# KiCad board SCKB-Xin.kicad_pcb (continued)
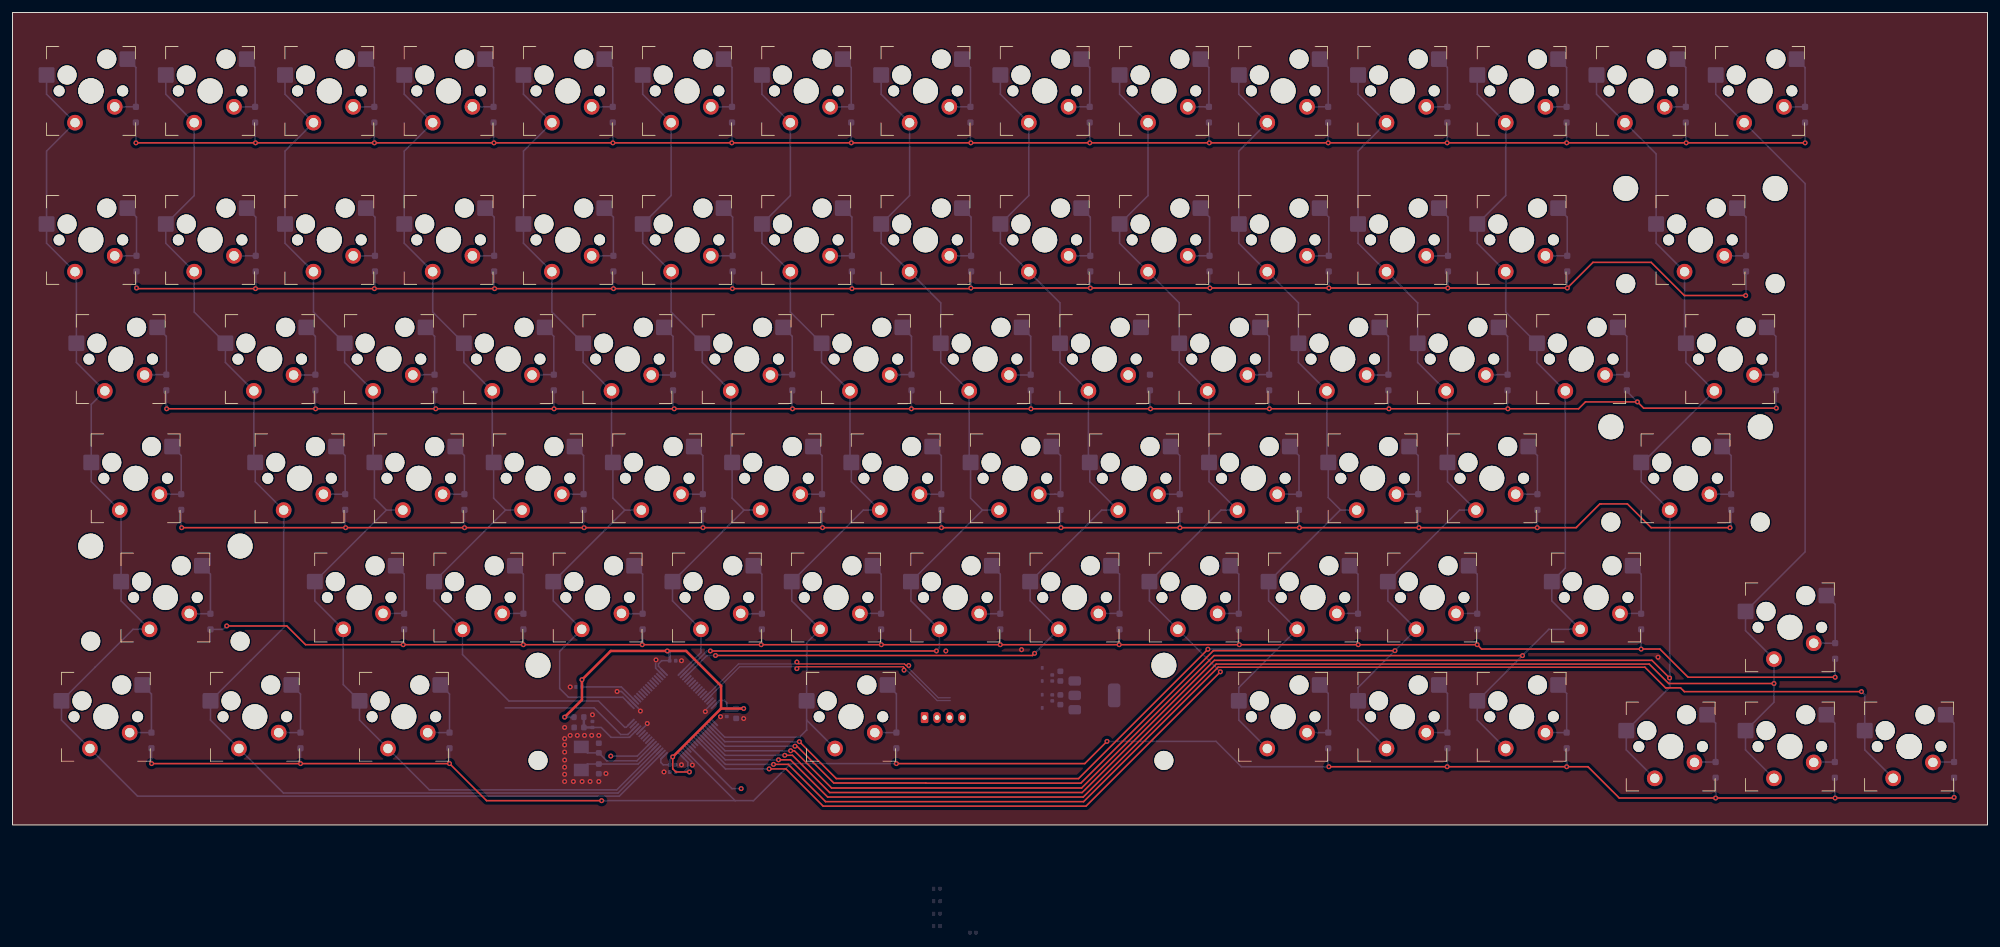
[diagram p0: board, top side]
## Footprints (pads in the part's own frame, mm; a bottom-side part is the same pattern mirrored in y, then rotated) (continued)
  rrect 0.3x1.55 smd: 17(-3.75,-5.675) 18(-3.25,-5.675) 19(-2.75,-5.675) 20(-2.25,-5.675) 21(-1.75,-5.675) 22(-1.25,-5.675) 23(-0.75,-5.675) 24(-0.25,-5.675) 25(0.25,-5.675) 26(0.75,-5.675) 27(1.25,-5.675) 28(1.75,-5.675) 29(2.25,-5.675) 30(2.75,-5.675) 31(3.25,-5.675) 32(3.75,-5.675) 49(3.75,5.675) 50(3.25,5.675) 51(2.75,5.675) 52(2.25,5.675) 53(1.75,5.675) 54(1.25,5.675) 55(0.75,5.675) 56(0.25,5.675) 57(-0.25,5.675) 58(-0.75,5.675) 59(-1.25,5.675) 60(-1.75,5.675) 61(-2.25,5.675) 62(-2.75,5.675) 63(-3.25,5.675) 64(-3.75,5.675)
R_0402_1005Metric
  rrect 0.54x0.64 smd: 1(-0.51,0) 2(0.51,0)
SOT-223-3_TabPin2
  rrect 2x1.5 smd: 1(-3.15,2.3) 2(-3.15,0) 3(-3.15,-2.3)
  rrect 2x3.8 smd: 2(3.15,0)

## Nets
+3V3: C101.1 C102.1 C103.1 C104.1 C105.1 C106.1 C111.1 C112.1 D102.1 L101.1 R101.1 U101.2 U102.1 U102.19 U102.32 U102.48 U102.64
+3V3A: C107.1 C108.1 L101.2 U102.13
GND: C101.2 C102.2 C103.2 C104.2 C105.2 C106.2 C107.2 C108.2 C109.2 C110.2 C111.2 C112.2 C113.2 C114.1 C115.1 D101.2 D102.2 R102.2 R103.2 R104.2 U101.1 U102.12 U102.18 U102.31 U102.47 U102.63
VBUS: C109.1 C110.1 D101.1 U101.3
/BOOT0: R102.1 U102.60
/C01: SW201.1 SW217.1 SW232.1 SW247.1 SW261.1 SW274.1 U102.2
/C02: SW202.1 SW218.1 SW233.1 SW248.1 SW275.1 U102.3
/C03: SW203.1 SW219.1 SW234.1 SW249.1 SW262.1 SW276.1 U102.4
/C04: SW204.1 SW220.1 SW235.1 SW250.1 SW263.1 U102.16
/C05: SW205.1 SW221.1 SW236.1 SW251.1 SW264.1 U102.17
/C06: SW206.1 SW222.1 SW237.1 SW252.1 SW265.1 U102.33
/C07: SW207.1 SW223.1 SW238.1 SW253.1 SW266.1 SW277.1 U102.50
/C08: SW208.1 SW224.1 SW239.1 SW254.1 SW267.1 U102.34
/C09: SW209.1 SW225.1 SW240.1 SW255.1 SW268.1 U102.35
/C10: SW210.1 SW226.1 SW241.1 SW256.1 SW269.1 U102.57
/C11: SW211.1 SW227.1 SW242.1 SW257.1 SW270.1 SW278.1 U102.51
/C12: SW212.1 SW228.1 SW243.1 SW258.1 SW271.1 SW279.1 U102.52
/C13: SW213.1 SW229.1 SW244.1 SW272.1 SW280.1 U102.53
/C14: SW214.1 SW230.1 SW245.1 SW259.1 SW281.1 U102.54
/C15: SW215.1 SW273.1 SW282.1 U102.55
/C16: SW283.1 U102.56
/HSE_IN: C114.2 U102.5 Y101.1
/HSE_OUT: C115.2 U102.6 Y101.2
/NRST: C113.1 R101.2 U102.7
/R01: D201.1 D202.1 D203.1 D204.1 D205.1 D206.1 D207.1 D208.1 D209.1 D210.1 D211.1 D212.1 D213.1 D214.1 D215.1 U102.21
/R02: D217.1 D218.1 D219.1 D220.1 D221.1 D222.1 D223.1 D224.1 D225.1 D226.1 D227.1 D228.1 D229.1 D230.1 U102.22
/R03: D232.1 D233.1 D234.1 D235.1 D236.1 D237.1 D238.1 D239.1 D240.1 D241.1 D242.1 D243.1 D244.1 D245.1 U102.23
/R04: D247.1 D248.1 D249.1 D250.1 D251.1 D252.1 D253.1 D254.1 D255.1 D256.1 D257.1 D258.1 D259.1 U102.41
/R05: D261.1 D262.1 D263.1 D264.1 D265.1 D266.1 D267.1 D268.1 D269.1 D270.1 D271.1 D272.1 D273.1 U102.42
/R06: D274.1 D275.1 D276.1 D277.1 D278.1 D279.1 D280.1 D281.1 D282.1 D283.1 U102.62
/SWCLK: U102.49
/SWDIO: U102.46
/USB_D+: U102.45
/USB_D-: U102.44
Net-(D103-K): R103.1
Net-(D104-K): R104.1
Net-(D201-A): D201.2 SW201.2
Net-(D202-A): D202.2 SW202.2
Net-(D203-A): D203.2 SW203.2
Net-(D204-A): D204.2 SW204.2
Net-(D205-A): D205.2 SW205.2
Net-(D206-A): D206.2 SW206.2
Net-(D207-A): D207.2 SW207.2
Net-(D208-A): D208.2 SW208.2
Net-(D209-A): D209.2 SW209.2
Net-(D210-A): D210.2 SW210.2
Net-(D211-A): D211.2 SW211.2
Net-(D212-A): D212.2 SW212.2
Net-(D213-A): D213.2 SW213.2
Net-(D214-A): D214.2 SW214.2
Net-(D215-A): D215.2 SW215.2
Net-(D217-A): D217.2 SW217.2
Net-(D218-A): D218.2 SW218.2
Net-(D219-A): D219.2 SW219.2
Net-(D220-A): D220.2 SW220.2
Net-(D221-A): D221.2 SW221.2
Net-(D222-A): D222.2 SW222.2
Net-(D223-A): D223.2 SW223.2
Net-(D224-A): D224.2 SW224.2
Net-(D225-A): D225.2 SW225.2
Net-(D226-A): D226.2 SW226.2
Net-(D227-A): D227.2 SW227.2
Net-(D228-A): D228.2 SW228.2
Net-(D229-A): D229.2 SW229.2
Net-(D230-A): D230.2 SW230.2
Net-(D232-A): D232.2 SW232.2
Net-(D233-A): D233.2 SW233.2
Net-(D234-A): D234.2 SW234.2
Net-(D235-A): D235.2 SW235.2
Net-(D236-A): D236.2 SW236.2
Net-(D237-A): D237.2 SW237.2
Net-(D238-A): D238.2 SW238.2
Net-(D239-A): D239.2 SW239.2
Net-(D240-A): D240.2 SW240.2
Net-(D241-A): D241.2 SW241.2
Net-(D242-A): D242.2 SW242.2
Net-(D243-A): D243.2 SW243.2
Net-(D244-A): D244.2 SW244.2
Net-(D245-A): D245.2 SW245.2
Net-(D247-A): D247.2 SW247.2
Net-(D248-A): D248.2 SW248.2
Net-(D249-A): D249.2 SW249.2
Net-(D250-A): D250.2 SW250.2
Net-(D251-A): D251.2 SW251.2
Net-(D252-A): D252.2 SW252.2
Net-(D253-A): D253.2 SW253.2
Net-(D254-A): D254.2 SW254.2
Net-(D255-A): D255.2 SW255.2
Net-(D256-A): D256.2 SW256.2
Net-(D257-A): D257.2 SW257.2
Net-(D258-A): D258.2 SW258.2
Net-(D259-A): D259.2 SW259.2
Net-(D261-A): D261.2 SW261.2
Net-(D262-A): D262.2 SW262.2
Net-(D263-A): D263.2 SW263.2
Net-(D264-A): D264.2 SW264.2
Net-(D265-A): D265.2 SW265.2
Net-(D266-A): D266.2 SW266.2
Net-(D267-A): D267.2 SW267.2
Net-(D268-A): D268.2 SW268.2
Net-(D269-A): D269.2 SW269.2
Net-(D270-A): D270.2 SW270.2
Net-(D271-A): D271.2 SW271.2
Net-(D272-A): D272.2 SW272.2
Net-(D273-A): D273.2 SW273.2
Net-(D274-A): D274.2 SW274.2
Net-(D275-A): D275.2 SW275.2
Net-(D276-A): D276.2 SW276.2
Net-(D277-A): D277.2 SW277.2
Net-(D278-A): D278.2 SW278.2
Net-(D279-A): D279.2 SW279.2
Net-(D280-A): D280.2 SW280.2
Net-(D281-A): D281.2 SW281.2
Net-(D282-A): D282.2 SW282.2
Net-(D283-A): D283.2 SW283.2

Pads without a net: REF**#2 1 2 3 4; U102 8 9 10 11 14 15 20 24 25 26 27 28 29 30 36 37 38 39 40 43 58 59 61

## Via types
v1: diameter 0.8, hole 0.4, Top to Bottom, 145 vias

## Routing (per net, layer and track width the routed paths; a pad name or vN(x,y) marks a point on that pad's centre or on a via; arc(x,y) is an arc through that point)
+3V3: length 90.5
  Top w0.25: v1(105.49,10.87) 105.49,8.97 106,8.46 v1(108.16,8.46)
  Top w0.4: 113.21,18.6 113.21,22.21 107.62,27.8 v1(104.62,27.8) 95.58,27.8 v1(90.98,23.2) 90.98,19.99 v1(88.22,17.22) ; 113.21,18.6 v1(105.49,10.87) ; 113.21,18.6 v1(116.83,18.6)
  Bottom w0.25: 107.27,8.46 v1(108.16,8.46) ; 107.27,8.46 107.9,9.1 107.9,10.02 U102.64 ; 107.27,8.46 C101.1 ; U102.1 103.58,10.52 103.58,9.99 103.96,9.6 C105.1 105.01,10.39 v1(105.49,10.87) ; U102.32 104.13,24.43 103.2,25.35 103.2,25.73 103.71,26.24 C103.1 ; U102.48 112.95,19.89 113.74,19.89 114.12,19.51 C104.1 ; U102.19 97.28,22.05 C102.1
  Bottom w0.4: C104.1 115.33,18.28 C106.1 116.8,18.58 v1(116.83,18.6) ; L101.1 v1(88.22,17.22) ; C103.1 105.01,27.42 v1(104.62,27.8) ; v1(90.98,23.2) C102.1
+3V3A: length 11.4
  Bottom w0.25: U102.13 98.58,14 95.63,14 94.06,15.57 C108.1
  Bottom w0.4: C108.1 C107.1 ; C107.1 91.29,15.57 ; C107.1 L101.2
GND: length 13.8
  Bottom w0.25: v1(110.7,18.11) 110.7,18.34 U102.47 ; v1(96.6,21.33) 97.3,21.33 U102.18 100.33,18.3 v1(100.33,18.2) ; U102.63 108.63,10 v1(108.63,9.56) ; U102.31 102.75,25.06 102.75,26.31 v1(102.82,26.37) ; v1(101.42,16.21) 101.42,16.14 U102.12
  vias: v1(88.22,15.57) v1(88.22,13.8) v1(88.22,12.78) v1(88.22,11.64) v1(88.22,10.37) v1(88.22,9.22) v1(88.22,8.08) v1(88.22,6.94) v1(89.11,22.05) v1(89.11,14.3) v1(89.61,6.94) v1(90.25,14.3) v1(91.01,6.94) v1(91.39,14.3) v1(92.28,6.94) v1(92.53,14.3) v1(92.66,17.61) v1(93.68,14.3) v1(93.68,6.94) v1(94.82,8.21) v1(104.09,8.46) v1(106.89,26.24) v1(106.89,9.6) v1(113.12,17.3) v1(116.83,17) v1(161.23,28) v1(262.93,26.8)
(no net):
  vias: v1(149.12,27.8)
/BOOT0: length 10.9
  Bottom w0.25: U102.60 114.95,5.8 v1(116.42,5.8)
/C01: length 226.7
  Bottom w0.25: 103.75,11.42 U102.2 96.95,4.6 19.97,4.6 SW274.1 7.82,16.75 SW274.1 19.25,31.26 SW261.1 17.35,35.8 SW261.1 17.35,50.09 SW247.1 12.58,54.85 SW247.1 12.58,67.19 SW232.1 10.2,73.9 SW232.1 10.2,88.19 SW217.1 5.44,92.95 SW217.1 5.44,107.68 SW201.1 5.44,116.77 SW201.1
/C02: length 198.9
  Bottom w0.25: SW202.1 24.49,116.77 SW202.1 29.04,100.57 SW218.1 24.49,92.95 SW218.1 29.04,81.96 SW233.1 34.02,73.9 38.56,69.36 38.56,58.15 SW248.1 38.78,54.85 SW248.1 43.32,31.52 SW275.1 31.63,16.75 SW275.1 43.29,5.1 96.75,5.1 U102.3
/C03: length 178.8
  Bottom w0.25: 59.73,50.31 57.83,52.21 SW249.1 57.61,58.15 SW234.1 53.06,73.9 SW234.1 48.08,81.96 SW219.1 43.54,92.95 SW219.1 43.54,107.68 SW203.1 43.54,116.77 SW203.1 ; 59.73,50.31 SW262.1 48.3,35.8 SW262.1 52.85,22.43 SW276.1 55.45,16.75 SW276.1 66.6,5.6 96.54,5.6 U102.4 ; 59.73,50.31 SW249.1
/C04: length 144.4
  Bottom w0.25: SW250.1 78.78,50.31 ; 78.78,50.31 76.88,52.21 SW250.1 76.66,58.15 SW235.1 72.11,73.9 SW235.1 67.13,81.96 SW220.1 62.59,92.95 SW220.1 62.59,107.68 SW204.1 62.59,116.77 SW204.1 ; 78.78,50.31 SW263.1 67.35,35.8 SW263.1 71.9,27.23 79.33,19.8 93.62,19.8 97.83,15.6 98.05,15.6 U102.16
/C05: length 131.7
  Bottom w0.25: 97.83,50.31 SW251.1 ; 97.83,50.31 SW264.1 86.4,35.8 SW264.1 87.42,27.73 87.42,21.8 88.83,20.4 97.52,20.4 U102.17 ; 97.83,50.31 95.93,52.21 SW251.1 95.71,58.15 SW236.1 91.16,73.9 SW236.1 86.19,81.96 SW221.1 81.64,92.95 SW221.1 81.64,107.68 SW205.1 81.64,116.77 SW205.1
/C06: length 116.5
  Bottom w0.25: 116.88,50.31 114.98,52.21 SW252.1 114.98,58.25 114.76,58.47 SW237.1 110.21,73.9 SW237.1 105.23,81.96 SW222.1 100.69,92.95 SW222.1 105.23,100.57 SW206.1 100.69,116.77 SW206.1 ; 116.88,50.31 SW265.1 105.45,35.8 SW265.1 110,27.54 U102.33 ; 116.88,50.31 SW252.1
/C07: length 149.2
  Bottom w0.25: 126.88,16.75 SW277.1 ; 126.88,16.75 126.88,15.14 126.87,15.14 125.75,14.03 113.79,14.03 U102.50 ; 126.88,16.75 SW277.1 126.88,29.09 SW266.1 124.5,35.8 SW266.1 135.93,50.31 SW253.1 134.03,54.85 SW253.1 133.81,58.15 133.81,69.36 129.27,73.9 SW238.1 124.29,81.96 SW223.1 119.74,92.95 SW223.1 124.29,100.57 SW207.1 119.74,116.77 SW207.1
/C08: length 153.9
  Top w0.25: v1(111.5,27.8) v1(147.62,27.8)
  Bottom w0.25: U102.34 110.96,27.8 v1(111.5,27.8) ; v1(147.62,27.8) 148.1,28.27 SW267.1 143.55,35.8 SW267.1 154.98,50.31 ; SW254.1 154.98,50.31 ; 154.98,50.31 153.08,52.21 SW254.1 152.86,58.15 SW239.1 148.31,73.9 SW239.1 148.31,83.43 SW224.1 138.79,92.95 SW224.1 143.34,100.57 SW208.1 138.79,116.77 SW208.1
/C09: length 172.1
  Top w0.25: v1(112.33,27.08) 162.97,27.08 v1(163.31,27.42)
  Bottom w0.25: SW209.1 157.84,116.77 SW209.1 162.39,100.57 SW225.1 157.84,92.95 SW225.1 167.37,83.43 SW240.1 167.37,73.9 SW240.1 171.91,58.15 SW255.1 172.13,54.85 SW255.1 174.03,50.31 SW268.1 162.6,35.8 SW268.1 v1(163.31,27.42) ; U102.35 110.94,27.08 v1(112.33,27.08)
/C10: length 215.9
  Top w0.25: v1(120.9,8.95) 123.58,8.95 129.53,3 171.52,3 v1(192.99,24.47)
  Bottom w0.25: v1(192.99,24.47) SW269.1 181.65,35.8 SW269.1 193.08,50.31 SW256.1 191.18,54.85 SW256.1 191.18,69.14 SW241.1 186.42,73.9 SW241.1 186.42,83.43 SW226.1 176.89,92.95 SW226.1 181.44,100.57 SW210.1 176.89,116.77 SW210.1 ; v1(120.9,8.95) 113.92,8.95 U102.57
/C11: length 235.7
  Top w0.25: v1(125.73,13.3) 131.62,7.4 170.33,7.4 v1(191,28.08)
  Bottom w0.25: 212.23,50.31 SW257.1 ; 212.23,50.31 210.23,52.31 SW257.1 210.01,58.15 SW242.1 205.47,73.9 SW242.1 205.47,83.43 SW227.1 195.94,92.95 SW227.1 195.94,107.68 SW211.1 195.94,116.77 SW211.1 ; 212.23,50.31 212.13,50.31 SW270.1 200.7,35.8 SW270.1 195.94,21.95 SW278.1 195.94,16.75 SW278.1 ; v1(125.73,13.3) 113.81,13.3 U102.51 ; v1(191,28.08) 202.06,28.08
/C12: length 256.3
  Top w0.25: v1(125.02,12.58) 125.34,12.58 131.22,6.7 145.93,6.7 145.95,6.68 170.7,6.68 191.87,27.84 v1(220.88,27.84)
  Bottom w0.25: v1(125.02,12.58) 113.83,12.58 U102.52 ; SW279.1 214.99,16.75 SW279.1 214.99,21.95 v1(220.88,27.84) SW271.1 219.75,35.8 SW271.1 231.18,50.31 SW258.1 229.28,54.85 SW258.1 229.28,69.14 SW243.1 224.52,73.9 SW243.1 224.52,83.43 SW228.1 214.99,92.95 SW228.1 214.99,107.68 SW212.1 214.99,116.77 SW212.1
/C13: length 274.7
  Top w0.25: v1(124.33,11.85) 124.92,11.85 130.88,5.9 170.83,5.9 191.98,27.06 v1(241.27,27.06)
  Bottom w0.25: U102.53 113.85,11.85 v1(124.33,11.85) ; SW280.1 234.04,16.75 SW280.1 v1(241.27,27.06) 245.47,31.26 SW272.1 245.95,35.8 SW272.1 248.11,41.04 SW244.1 243.56,73.9 SW244.1 238.59,81.96 SW229.1 234.04,92.95 SW229.1 238.59,100.57 SW213.1 234.04,116.77 SW213.1
/C14: length 300
  Top w0.25: v1(123.39,11.12) 124.61,11.12 130.56,5.18 170.91,5.18 192.04,26.3 261.95,26.3 v1(264.77,23.48)
  Bottom w0.25: U102.54 113.86,11.12 v1(123.39,11.12) ; SW214.1 253.09,116.77 SW214.1 262.62,107.24 SW230.1 262.62,92.95 267.16,88.41 267.16,77.57 267.38,77.35 SW245.1 267.38,73.9 SW245.1 260.49,57.93 SW259.1 260.23,54.85 SW259.1 264.78,21.99 SW281.1 257.85,11.99 SW281.1
/C15: length 313.5
  Top w0.25: v1(281.45,22.6) 264.62,22.6 261.52,25.7 192.33,25.7 171.08,4.45 130.25,4.45 124.3,10.4 v1(122.39,10.4)
  Bottom w0.25: SW282.1 276.9,11.99 SW282.1 281.45,19.61 v1(281.45,22.6) SW273.1 276.9,31.04 SW273.1 286.43,43.64 286.43,102.48 SW215.1 272.14,116.77 SW215.1 ; U102.55 113.88,10.4 v1(122.39,10.4)
/C16: length 216.4
  Top w0.25: v1(295.43,21.3) 267.12,21.3 266.53,21.9 264.12,21.9 260.82,25.2 192.62,25.2 171.15,3.72 129.9,3.72 123.95,9.68 v1(121.59,9.68)
  Bottom w0.25: v1(295.43,21.3) 295.95,20.77 SW283.1 295.95,11.99 SW283.1 ; U102.56 113.9,9.68 v1(121.59,9.68)
/HSE_IN: length 13.4
  Bottom w0.25: Y101.1 91.85,9.73 C114.2 99.96,9.73 U102.5
/HSE_OUT: length 13.5
  Bottom w0.25: Y101.2 91.85,11.51 C115.2 94.95,10.24 99.76,10.24 U102.6
/NRST: length 7.3
  Bottom w0.25: v1(95.58,11) 99.82,11 U102.7
/R01: length 315.7
  Top w0.25: v1(286.43,109) v1(267.43,109) v1(248.32,109) v1(229.23,109) v1(210.23,109) v1(191.23,109) v1(172.12,109) v1(153.12,109) v1(134.03,109) v1(114.92,109) v1(95.92,109) v1(76.92,109) v1(57.83,109) v1(38.83,109) v1(19.72,109)
  Bottom w0.25: v1(191.23,109) 191.16,109.06 D210.1 ; D207.1 134.01,109.01 v1(134.03,109) ; v1(114.92,109) 114.96,109.04 D206.1 ; v1(248.32,109) 248.31,109.01 D213.1 ; D202.1 38.76,109.06 v1(38.83,109) ; v1(229.23,109) 229.26,109.04 D212.1 ; v1(153.12,109) 153.06,109.06 D208.1 ; v1(76.92,109) 76.86,109.06 D204.1 ; D211.1 210.21,109.01 v1(210.23,109) ; v1(95.92,109) 95.91,109.01 D205.1 ; v1(19.72,109) 19.72,109.5 19.71,109.51 D201.1 ; D209.1 172.11,109.01 v1(172.12,109) ; v1(286.43,109) 286.41,109.01 D215.1 ; D214.1 267.36,109.06 v1(267.43,109) ; D203.1 57.81,109.01 v1(57.83,109)
/R02: length 300.2
  Top w0.25: v1(276.93,84.6) 267.12,84.6 261.82,89.9 252.53,89.9 v1(248.43,85.8) v1(229.33,85.8) v1(210.33,85.8) v1(191.33,85.8) v1(172.23,85.8) v1(153.12,85.8) 153.03,85.7 v1(134.12,85.7) v1(115.02,85.7) v1(96.02,85.7) v1(77.02,85.7) v1(57.83,85.7) v1(38.83,85.7) 19.91,85.7 v1(19.81,85.8)
  Bottom w0.25: v1(96.02,85.7) 96.01,85.71 D221.1 ; v1(19.81,85.8) D217.1 ; D227.1 210.31,85.81 v1(210.33,85.8) ; v1(153.12,85.8) 153.16,85.84 D224.1 ; D218.1 38.86,85.74 v1(38.83,85.7) ; v1(115.02,85.7) 115.06,85.74 D222.1 ; D223.1 134.11,85.71 v1(134.12,85.7) ; D219.1 57.91,85.79 v1(57.83,85.7) ; v1(191.33,85.8) 191.26,85.86 D226.1 ; v1(276.93,84.6) 276.99,84.66 D230.1 ; v1(172.23,85.8) 172.21,85.81 D225.1 ; D228.1 229.36,85.84 v1(229.33,85.8) ; D229.1 248.41,85.81 v1(248.43,85.8) ; v1(77.02,85.7) 76.96,85.76 D220.1
/R03: length 299.2
  Top w0.25: v1(24.63,66.5) v1(48.42,66.5) v1(67.62,66.5) v1(86.52,66.5) v1(105.73,66.5) v1(124.62,66.5) v1(143.62,66.5) v1(162.73,66.5) v1(181.83,66.5) v1(200.83,66.5) v1(219.93,66.5) v1(238.93,66.5) 250.23,66.5 251.32,67.6 v1(259.62,67.6) 260.62,66.6 v1(281.82,66.6)
  Bottom w0.25: D243.1 238.89,66.54 v1(238.93,66.5) ; v1(200.83,66.5) 200.79,66.54 D241.1 ; D238.1 143.64,66.51 v1(143.62,66.5) ; D242.1 219.84,66.59 v1(219.93,66.5) ; v1(124.62,66.5) 124.59,66.54 D237.1 ; D240.1 181.74,66.59 v1(181.83,66.5) ; v1(162.73,66.5) 162.69,66.54 D239.1 ; v1(259.62,67.6) 257.94,69.29 D244.1 ; D236.1 105.54,66.69 v1(105.73,66.5) ; v1(281.82,66.6) 281.75,66.68 D245.1 ; v1(67.62,66.5) 67.44,66.69 D234.1 ; D232.1 24.57,67.05 24.63,67 v1(24.63,66.5) ; D235.1 86.49,66.54 v1(86.52,66.5) ; v1(48.42,66.5) 48.39,66.54 D233.1
/R04: length 288
  Top w0.25: v1(27.03,47.5) v1(53.22,47.5) v1(72.22,47.5) v1(91.33,47.5) v1(110.33,47.5) v1(129.43,47.5) v1(148.43,47.5) v1(167.53,47.5) v1(186.53,47.5) v1(205.62,47.5) v1(224.73,47.5) v1(243.62,47.5) 249.82,47.5 253.62,51.3 258.03,51.3 261.82,47.5 v1(274.43,47.5)
  Bottom w0.25: v1(53.22,47.5) 53.15,47.58 D248.1 ; v1(91.33,47.5) 91.25,47.58 D250.1 ; v1(205.62,47.5) 205.55,47.58 D256.1 ; v1(243.62,47.5) 243.62,47.9 243.65,47.93 D258.1 ; v1(129.43,47.5) 129.35,47.58 D252.1 ; D249.1 72.2,47.53 v1(72.22,47.5) ; D247.1 26.96,47.57 v1(27.03,47.5) ; D251.1 110.3,47.53 v1(110.33,47.5) ; D253.1 148.4,47.53 v1(148.43,47.5) ; v1(274.43,47.5) 274.61,47.68 D259.1 ; v1(186.53,47.5) 186.5,47.53 D255.1 ; D254.1 167.45,47.58 v1(167.53,47.5) ; v1(224.73,47.5) 224.6,47.62 D257.1
/R05: length 294.1
  Top w0.25: v1(34.22,31.8) 43.83,31.8 46.83,28.8 v1(62.42,28.8) v1(81.62,28.8) v1(100.62,28.8) v1(119.62,28.8) v1(138.83,28.8) v1(157.83,28.8) v1(176.83,28.8) v1(196.03,28.8) v1(215.03,28.8) v1(234.03,28.8) 234.73,28.1 v1(260.23,28.1) 263.23,28.1 267.73,23.6 v1(291.23,23.6)
  Bottom w0.25: v1(100.62,28.8) 100.68,28.86 D264.1 ; D267.1 157.83,28.81 v1(157.83,28.8) ; v1(176.83,28.8) 176.88,28.86 D268.1 ; v1(234.03,28.8) 234.03,28.81 D271.1 ; v1(196.03,28.8) 195.93,28.89 D269.1 ; v1(291.23,23.6) D273.1 ; D266.1 138.78,28.84 v1(138.83,28.8) ; D263.1 81.63,28.81 v1(81.62,28.8) ; v1(260.23,28.1) D272.1 ; v1(62.42,28.8) 62.58,28.96 D262.1 ; D270.1 214.98,28.84 v1(215.03,28.8) ; D261.1 33.67,31.25 v1(34.22,31.8) ; v1(119.62,28.8) 119.73,28.91 D265.1
/R06: length 337.7
  Top w0.25: v1(310.23,4.4) 310.12,4.3 v1(291.23,4.3) v1(272.12,4.3) 256.73,4.3 251.73,9.3 v1(248.32,9.3) v1(229.23,9.3) v1(210.33,9.3) ; v1(94.12,3.88) 75.75,3.88 v1(69.83,9.8) v1(46.02,9.8) v1(22.22,9.8) ; v1(141.23,9.8) 171.33,9.8 v1(174.88,13.35)
  Bottom w0.25: v1(248.32,9.3) D280.1 ; v1(310.23,4.4) D283.1 ; D282.1 291.18,4.35 v1(291.23,4.3) ; D278.1 210.23,9.4 v1(210.33,9.3) 196.35,9.3 192.3,13.35 v1(174.88,13.35) ; U102.62 115.46,3.88 v1(94.12,3.88) ; v1(229.23,9.3) 229.28,9.35 D279.1 ; v1(272.12,4.3) D281.1 ; D275.1 46.01,9.81 v1(46.02,9.8) ; D276.1 v1(69.83,9.8) ; v1(22.22,9.8) 22.22,12.22 D274.1 ; D277.1 v1(141.23,9.8) 124.33,9.8 118.4,3.88 115.52,3.88
/USB_D+: length 43.6
  Top w0.2: v1(125.33,24.97) 125.62,25.27 142.33,25.27 142.45,25.15 v1(142.45,24.73)
  Bottom w0.2: v1(142.45,24.73) 142.88,24.73 147.73,19.88 149.83,19.88 ; U102.45 111.76,20.82 111.76,20.85 116.18,25.27 125.03,25.27 v1(125.33,24.97)
/USB_D-: length 44
  Top w0.2: v1(125.33,26.03) 125.62,25.73 142.52,25.73 142.77,25.47 v1(143.2,25.47)
  Bottom w0.2: U102.44 111.4,21.17 111.44,21.17 115.99,25.73 125.03,25.73 v1(125.33,26.03) ; 149.83,20.33 147.92,20.33 143.2,25.05 v1(143.2,25.47)
Net-(D201-A): length 11.6
  Bottom w0.25: SW201.2 19.71,121.03 D201.2 19.7,114.76 SW201.2
Net-(D202-A): length 11.6
  Bottom w0.25: SW202.2 35.39,114.75 D202.2 38.76,121.03 SW202.2
Net-(D203-A): length 11.6
  Bottom w0.25: SW203.2 57.81,121.03 D203.2 57.8,114.76 SW203.2
Net-(D204-A): length 11.6
  Bottom w0.25: SW204.2 76.86,121.03 D204.2 76.85,114.76 SW204.2
Net-(D205-A): length 11.6
  Bottom w0.25: SW205.2 95.9,114.76 ; 95.9,114.76 95.9,121.04 SW205.2 ; 95.9,114.76 D205.2
Net-(D206-A): length 11.6
  Bottom w0.25: SW206.2 111.59,114.75 D206.2 114.96,121.03 SW206.2
Net-(D207-A): length 11.6
  Bottom w0.25: SW207.2 134.01,121.03 D207.2 130.65,114.75 SW207.2
Net-(D208-A): length 11.6
  Bottom w0.25: SW208.2 149.7,114.75 D208.2 153.06,121.03 SW208.2
Net-(D209-A): length 11.6
  Bottom w0.25: SW209.2 172.11,121.03 D209.2 168.75,114.75 SW209.2
Net-(D210-A): length 11.6
  Bottom w0.25: SW210.2 191.16,121.03 D210.2 190.58,114.75 190.56,114.76 SW210.2
Net-(D211-A): length 11.6
  Bottom w0.25: SW211.2 210.2,114.76 D211.2 210.21,121.03 SW211.2
Net-(D212-A): length 11.6
  Bottom w0.25: SW212.2 229.25,114.76 D212.2 229.26,121.03 SW212.2
Net-(D213-A): length 11.6
  Bottom w0.25: SW213.2 248.31,121.03 D213.2 244.94,114.75 SW213.2
Net-(D214-A): length 11.6
  Bottom w0.25: SW214.2 264,114.75 D214.2 267.36,121.03 SW214.2
Net-(D215-A): length 11.6
  Bottom w0.25: SW215.2 283.05,114.75 D215.2 286.41,121.03 SW215.2
Net-(D217-A): length 11.7
  Bottom w0.25: SW217.2 19.81,97.12 D217.2 19.58,90.95 19.57,90.95 SW217.2
Net-(D218-A): length 11.7
  Bottom w0.25: SW218.2 38.86,90.95 D218.2 38.86,97.12 SW218.2
Net-(D219-A): length 11.7
  Bottom w0.25: SW219.2 57.91,90.95 D219.2 57.91,97.12 SW219.2
Net-(D220-A): length 11.7
  Bottom w0.25: SW220.2 76.96,90.95 D220.2 76.96,97.12 SW220.2
Net-(D221-A): length 11.7
  Bottom w0.25: SW221.2 96.01,97.12 D221.2 96.01,90.95 SW221.2
Net-(D222-A): length 11.7
  Bottom w0.25: SW222.2 111.59,90.95 D222.2 115.06,97.12 SW222.2
Net-(D223-A): length 11.7
  Bottom w0.25: SW223.2 134.11,97.12 D223.2 130.64,90.95 SW223.2
Net-(D224-A): length 11.7
  Bottom w0.25: SW224.2 153.16,97.12 D224.2 149.69,90.95 SW224.2
Net-(D225-A): length 11.7
  Bottom w0.25: SW225.2 172.21,97.12 D225.2 168.74,90.95 SW225.2
Net-(D226-A): length 11.7
  Bottom w0.25: SW226.2 191.26,90.95 D226.2 191.26,97.12 SW226.2
Net-(D227-A): length 11.7
  Bottom w0.25: SW227.2 210.31,97.12 D227.2 206.84,90.95 SW227.2
Net-(D228-A): length 11.7
  Bottom w0.25: SW228.2 229.36,97.12 D228.2 225.89,90.95 SW228.2
Net-(D229-A): length 11.7
  Bottom w0.25: SW229.2 248.41,97.12 D229.2 244.94,90.95 SW229.2
Net-(D230-A): length 11.7
  Bottom w0.25: SW230.2 276.99,97.12 D230.2 276.68,90.95 276.67,90.95 SW230.2
Net-(D232-A): length 11.7
  Bottom w0.25: SW232.2 21.15,71.95 D232.2 24.57,78.07 SW232.2
Net-(D233-A): length 11.7
  Bottom w0.25: SW233.2 48.39,78.07 D233.2 48.33,71.9 SW233.2
Net-(D234-A): length 11.7
  Bottom w0.25: SW234.2 64.01,71.95 D234.2 67.44,78.07 SW234.2
Net-(D235-A): length 11.7
  Bottom w0.25: 83.01,71.9 83.06,71.95 D235.2 86.49,78.07 SW235.2
Net-(D236-A): length 11.7
  Bottom w0.25: SW236.2 105.54,78.07 D236.2 105.48,71.9 SW236.2
Net-(D237-A): length 11.7
  Bottom w0.25: SW237.2 121.16,71.95 D237.2 124.59,78.07 SW237.2
Net-(D238-A): length 11.7
  Bottom w0.25: SW238.2 140.21,71.95 D238.2 143.64,78.07 SW238.2
Net-(D239-A): length 11.7
  Bottom w0.25: SW239.2 162.69,78.07 D239.2 162.48,71.95 162.42,71.9 SW239.2
Net-(D241-A): length 11.7
  Bottom w0.25: SW241.2 197.36,71.95 D241.2 200.79,78.07 SW241.2
Net-(D242-A): length 11.7
  Bottom w0.25: SW242.2 219.79,71.9 D242.2 219.84,78.07 SW242.2
Net-(D243-A): length 11.7
  Bottom w0.25: SW243.2 238.89,78.07 D243.2 235.46,71.95 SW243.2
Net-(D244-A): length 11.7
  Bottom w0.25: SW244.2 254.51,71.95 D244.2 257.94,78.07 SW244.2
Net-(D245-A): length 11.7
  Bottom w0.25: SW245.2 278.32,71.95 D245.2 281.75,78.07 SW245.2
Net-(D247-A): length 11.7
  Bottom w0.25: SW247.2 26.96,59.02 D247.2 23.48,52.85 SW247.2
Net-(D248-A): length 11.7
  Bottom w0.25: SW248.2 53.15,59.02 D248.2 49.67,52.85 SW248.2
Net-(D249-A): length 11.7
  Bottom w0.25: SW249.2 72.2,52.85 D249.2 72.2,59.02 SW249.2
Net-(D250-A): length 11.7
  Bottom w0.25: SW250.2 91.25,59.02 D250.2 91.25,52.85 SW250.2
Net-(D251-A): length 11.7
  Bottom w0.25: SW251.2 106.83,52.85 D251.2 110.3,59.02 SW251.2
Net-(D252-A): length 11.7
  Bottom w0.25: SW252.2 129.35,59.02 D252.2 125.87,52.85 SW252.2
Net-(D253-A): length 11.7
  Bottom w0.25: SW253.2 148.4,59.02 D253.2 144.93,52.85 SW253.2
Net-(D254-A): length 11.7
  Bottom w0.25: SW254.2 166.57,52.85 166.58,52.85 D254.2 167.45,59.02 SW254.2
Net-(D255-A): length 11.7
  Bottom w0.25: SW255.2 183.03,52.85 D255.2 186.5,59.02 SW255.2
Net-(D256-A): length 11.7
  Bottom w0.25: SW256.2 202.08,52.85 D256.2 205.55,59.02 SW256.2
Net-(D257-A): length 11.7
  Bottom w0.25: SW257.2 224.6,52.85 D257.2 224.6,59.02 SW257.2
Net-(D258-A): length 11.7
  Bottom w0.25: SW258.2 240.18,52.85 D258.2 243.65,59.02 SW258.2
Net-(D259-A): length 11.7
  Bottom w0.25: SW259.2 274.6,52.85 D259.2 274.61,59.02 SW259.2
Net-(D261-A): length 11.6
  Bottom w0.25: SW261.2 28.29,33.75 D261.2 31.63,40.07 SW261.2
Net-(D262-A): length 11.6
  Bottom w0.25: SW262.2 62.58,40.07 D262.2 62.53,33.8 SW262.2
Net-(D263-A): length 11.6
  Bottom w0.25: SW263.2 81.53,33.8 81.58,33.75 D263.2 81.63,40.07 SW263.2
Net-(D264-A): length 11.6
  Bottom w0.25: SW264.2 100.68,40.07 D264.2 97.34,33.75 SW264.2
Net-(D265-A): length 11.6
  Bottom w0.25: SW265.2 116.39,33.75 D265.2 119.73,40.07 SW265.2
Net-(D266-A): length 11.6
  Bottom w0.25: SW266.2 138.73,33.8 D266.2 138.78,40.07 SW266.2
Net-(D267-A): length 11.6
  Bottom w0.25: SW267.2 154.5,33.75 D267.2 157.83,40.07 SW267.2
Net-(D268-A): length 11.6
  Bottom w0.25: SW268.2 176.83,33.8 D268.2 176.88,40.07 SW268.2
Net-(D269-A): length 11.6
  Bottom w0.25: SW269.2 195.88,33.8 D269.2 195.93,40.07 SW269.2
Net-(D270-A): length 11.6
  Bottom w0.25: SW270.2 214.93,33.8 D270.2 214.98,40.07 SW270.2
Net-(D271-A): length 11.6
  Bottom w0.25: SW271.2 234.03,40.07 D271.2 233.98,33.8 SW271.2
Net-(D272-A): length 11.6
  Bottom w0.25: SW272.2 260.23,40.07 D272.2 260.18,33.8 SW272.2
Net-(D273-A): length 11.6
  Bottom w0.25: 287.8,29.04 291.21,29.04 D273.2 291.23,35.26 SW273.2
Net-(D274-A): length 11.7
  Bottom w0.25: SW274.2 18.72,14.75 D274.2 22.2,20.92 SW274.2
Net-(D275-A): length 11.7
  Bottom w0.25: SW275.2 42.53,14.75 D275.2 46.01,20.92 SW275.2
Net-(D276-A): length 11.7
  Bottom w0.25: SW276.2 69.82,14.75 D276.2 69.83,20.92 SW276.2
Net-(D277-A): length 11.7
  Bottom w0.25: SW277.2 141.23,20.95 D277.2 141.22,14.75 SW277.2
Net-(D278-A): length 11.6
  Bottom w0.25: SW278.2 210.23,21.01 D278.2 210.22,14.75 SW278.2
Net-(D279-A): length 11.6
  Bottom w0.25: SW279.2 229.28,21.01 D279.2 225.89,14.75 SW279.2
Net-(D280-A): length 11.6
  Bottom w0.25: SW280.2 244.94,14.75 D280.2 248.32,21.01 SW280.2
Net-(D281-A): length 11.5
  Bottom w0.25: SW281.2 272.12,16.26 D281.2 268.81,10.05 SW281.2
Net-(D282-A): length 11.5
  Bottom w0.25: SW282.2 291.18,16.26 D282.2 287.86,10.05 SW282.2
Net-(D283-A): length 11.5
  Bottom w0.25: SW283.2 306.91,10.05 D283.2 310.23,16.26 SW283.2
unconnected-(U102-PA0-Pad14): length 23.1
  Bottom w0.25: U102.14 98.32,14.45 97.17,14.45 92.92,18.7 78.72,18.7

## Copper pours and planes (outline as drawn; the poured copper is in the pictures)
GND on Top, Bottom: -5.57,135.4 319.43,135.4 319.43,-4.6 -5.57,-4.6
